# Altium PCB Main_Board.PcbDoc (part 17 of 19)
Units mil, origin at the board's own origin, x right, y up, seen from the top; angles counter-clockwise.
Board outline 5306 x 6610 mil, 12 copper layers ((L1) Top, (L2) Inner 1, (L3) Inner 2, (L4) Inner 3, (L5) Inner 4, (L6) Inner 5, (L7) Inner 6, (L8) Inner 7, (L9) Inner 8, (L10) Inner 9, (L11) Inner 10, (L12) Bottom), stack 94.81 mil thick; 347 components, 571 nets, 2611 pads, 4053 vias.
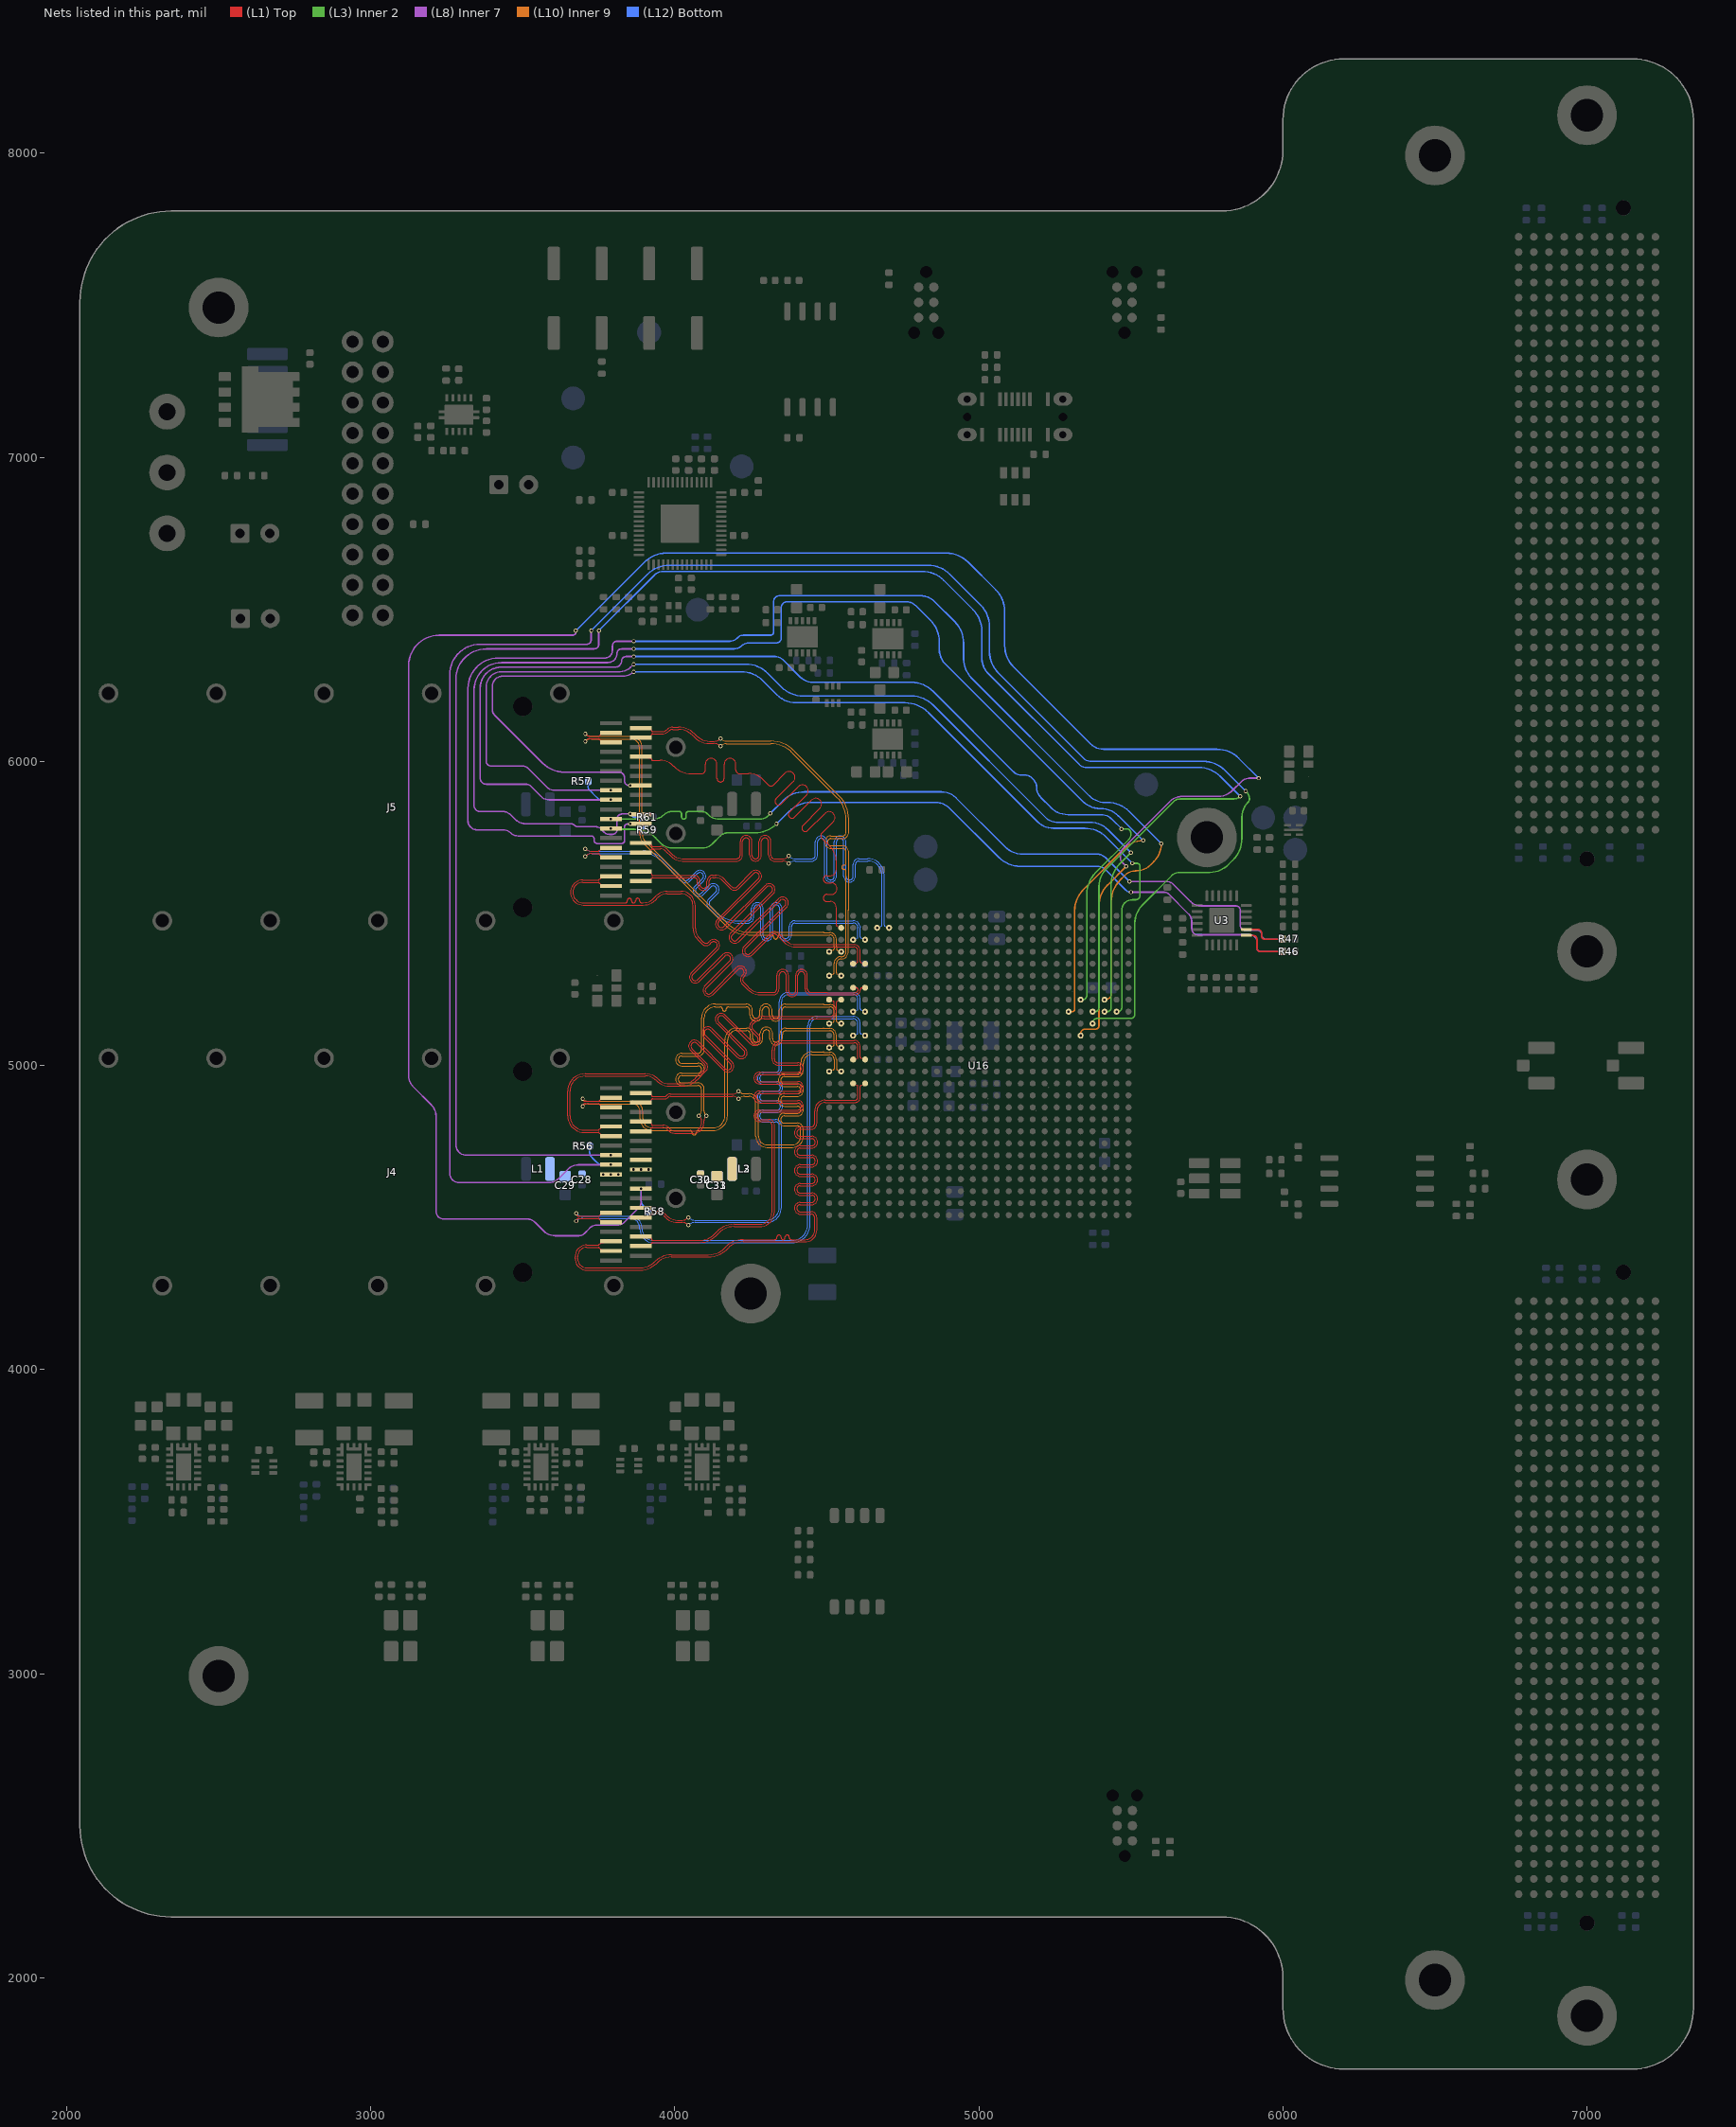
[diagram p27: the nets of this part, all layers, seen from the top]

## Via types
v1: diameter 13.78, hole 7.87, (L1) Top to (L12) Bottom, tented both sides, 4044 vias
v2: diameter 13.78, hole 7.87, (L1) Top to (L12) Bottom, tented bottom, 9 vias

## Nets (pads, with @x,y where several pads share a name; then routed paths per layer and width w, separated by ;. In a path a pad name is that pad's centre, name@x,y a point inside that pad or via, vN(x,y) a via of type N, cw(c..) or ccw(c..) an arc to the next point about the centre after c; other vN are vias at no path point) (continued)
QSFP_A_M\o\d\P\r\s\: J4.27 R58.1 U16.L22 | length 7318.7
  (L8) Inner 7 w5: v1(3675,6430) 3675,6425 cw(c3665,6425) 3665,6415 3225,6415 ccw(c3225,6315) 3125,6315 3125,4966.21 ccw(c3176.21,4966.21) 3139.99,4930.01 3200,4870 cw(c3163.79,4833.79) 3215,4833.79 3215,4520 ccw(c3240,4520) 3240,4495 3515,4495 cw(c3515,4458.79) 3540.61,4484.39 3570,4455 ccw(c3606.21,4491.21) 3606.21,4440 3685,4440 ccw(c3685,4464.14) 3702.07,4447.07 3720,4465 cw(c3744.14,4440.86) 3744.14,4475 3810,4475 ccw(c3810,4511.21) 3835.61,4485.61 3881.51,4531.51 ccw(c3864.44,4548.58) 3888.58,4548.58 v1(3888.58,4594.88) ; v1(5485.13,5654.46) 5472.36,5667.23 cw(c5490.13,5685) 5465,5685 5465,5690.86 cw(c5499.14,5690.86) 5475,5715 5627.32,5867.32 cw(c5670,5824.64) 5670,5885 5786.72,5885 ccw(c5786.72,5953.28) 5835,5905 5864.39,5934.39 cw(c5890,5908.79) 5890,5945 v1(5920,5945)
  (L10) Inner 9 w5: v1(5334.65,5098.43) 5334.65,5104.65 cw(c5350,5104.65) 5350,5120 5385,5120 ccw(c5385,5130) 5395,5130 5395,5523.58 cw(c5495,5523.58) 5424.29,5594.29 5484.46,5654.46 v1(5485.13,5654.46)
  (L12) Bottom w5: v1(3675,6430) 3900.71,6655.71 cw(c3971.42,6585) 3971.42,6685 4893.58,6685 cw(c4893.58,6585) 4964.29,6655.71 5055.71,6564.29 cw(c4985,6493.58) 5085,6493.58 5085,6381.42 ccw(c5185,6381.42) 5114.29,6310.71 5367.32,6057.68 ccw(c5410,6100.36) 5410,6040 5783.58,6040 cw(c5783.58,5940) 5854.29,6010.71 v1(5920,5945) ; v1(3888.58,4594.88) 3888.58,4562.56 ccw(c3927.56,4562.56) 3900,4535 3909.61,4527.28 R58.1@3914.92,4520
QSFP_A_M\o\d\S\e\l\: J4.8 U16.J23 | length 6241.1
  (L3) Inner 2 w5: v1(5374.02,5177.17) 5382.17,5177.17 ccw(c5382.17,5190) 5395,5190 5395,5588.79 cw(c5476.1,5588.79) 5418.74,5646.12 5640.76,5868.14 cw(c5661.39,5847.51) 5661.39,5876.69 5839.93,5876.69 ccw(c5839.93,5905.07) v1(5860,5885)
  (L8) Inner 7 w5: v1(3750,6430) 3750,6385 cw(c3735,6385) 3735,6370 3380,6370 ccw(c3380,6270) 3280,6270 3280,4740 ccw(c3314.88,4740) 3314.88,4705.12 v1(3790.16,4705.12)
  (L12) Bottom w5: v1(3750,6430) 3932.32,6612.32 cw(c3962.93,6581.72) 3962.93,6625 4813.58,6625 cw(c4813.58,6525) 4884.29,6595.71 4980.71,6499.29 cw(c4910,6428.58) 5010,6428.58 5010,6338.28 ccw(c5078.28,6338.28) 5030,6290 5330,5990 ccw(c5354.14,6014.14) 5354.14,5980 5723.58,5980 cw(c5723.58,5880) 5794.29,5950.71 v1(5860,5885)
QSFP_A_R\e\s\e\t\: J4.9 R56.1 U16.K23 | length 6623.3
  (L3) Inner 2 w5: v1(5374.02,5137.8) 5374.02,5139.02 cw(c5390,5139.02) 5390,5155 5500,5155 ccw(c5500,5167.8) 5512.8,5167.8 5512.8,5466.41 cw(c5600.66,5466.41) 5538.54,5528.54 5634.39,5624.39 cw(c5660,5598.79) 5660,5635 5759.64,5635 ccw(c5759.64,5720.36) 5820,5660 5835.71,5675.71 ccw(c5765,5746.42) 5865,5746.42 5865,5816.72 cw(c5933.28,5816.72) 5885,5865 ccw(c5872.93,5877.07) 5890,5877.07 ccw(c5858.79,5877.07) 5880.86,5899.14 v1(5877.5,5902.5)
  (L8) Inner 7 w5: v1(3725,6430) 3725,6400 cw(c3710,6400) 3710,6385 3360,6385 ccw(c3360,6285) 3260,6285 3260,4645 ccw(c3290,4645) 3290,4615 3585,4615 ccw(c3585,4663.28) 3619.14,4629.14 3650,4660 cw(c3682.89,4627.11) 3682.89,4673.62 v1(3790.16,4673.62)
  (L12) Bottom w5: R56.1@3720.08,4735 3720.08,4727.72 3720.08,4716.83 ccw(c3748.95,4716.88) 3728.57,4696.43 3741.43,4683.57 ccw(c3765.4,4707.47) 3765.4,4673.62 ; v1(3725,6430) 3910.71,6615.71 cw(c3981.42,6545) 3981.42,6645 4833.58,6645 cw(c4833.58,6545) 4904.29,6615.71 5005.71,6514.29 cw(c4935,6443.58) 5035,6443.58 5035,6361.42 ccw(c5135,6361.42) 5064.29,6290.71 5344.39,6010.61 ccw(c5370,6036.21) 5370,6000 5738.58,6000 cw(c5738.58,5900) 5809.29,5970.71 v1(5877.5,5902.5) ; 3765.44,4673.62 v1(3790.16,4673.62)
QSFP_A_RX1_N: J4.18 U16.R3 | length 2177.5
  (L1) Top w3.5: J4.18@3790.16,4390.16 3756.47,4395.3 3751.04,4401.04 3750.7,4401.32 ccw(c3748.46,4398.63) 3748.54,4402.13 3748.49,4402.13 3740,4402.13 3710.77,4402.13 ccw(c3710.77,4371.36) 3680,4371.36 3680,4365 ccw(c3710,4365) 3710,4335 3886.72,4335 ccw(c3886.72,4403.28) 3935,4355 cw(c3989.44,4300.56) 3989.44,4377.55 4110.8,4377.55 ccw(c4110.8,4454.2) 4165,4400 4169.6,4404.6 cw(c4225,4349.21) 4225,4427.55 4316.13,4427.55 4329.24,4427.55 ccw(c4329.24,4434.3) 4335.99,4434.3 4335.99,4435.58 cw(c4342.74,4435.58) 4349.49,4435.58 4349.49,4434.1 ccw(c4356.24,4434.1) 4362.99,4434.1 4362.99,4435.58 cw(c4369.74,4435.58) 4376.49,4435.58 4376.49,4434.3 ccw(c4383.24,4434.3) 4383.24,4427.55 4398.49,4427.55 4428.58,4427.55 ccw(c4428.58,4458.97) 4460,4458.97 4460,4494 4460,4499.53 ccw(c4448.25,4499.53) 4448.25,4511.28 4412.8,4511.28 cw(c4412.8,4530.58) 4412.8,4549.88 4450.32,4549.88 ccw(c4450.32,4561.63) 4450.32,4573.38 4412.8,4573.38 cw(c4412.8,4592.68) 4412.8,4611.98 4450.32,4611.98 ccw(c4450.32,4623.73) 4450.32,4635.48 4412.8,4635.48 cw(c4412.8,4654.78) 4412.8,4674.08 4450.32,4674.08 ccw(c4450.32,4685.83) 4450.32,4697.58 4412.8,4697.58 cw(c4412.8,4716.88) 4412.8,4736.18 4450.32,4736.18 ccw(c4450.32,4747.93) 4450.32,4759.68 4412.8,4759.68 cw(c4412.8,4778.98) 4412.8,4798.28 4448.25,4798.28 ccw(c4448.25,4810.03) 4460,4810.03 4460,4840 4460,4850.68 cw(c4495,4850.68) 4495,4885.68 4592.31,4885.68 ccw(c4592.31,4896) 4602.62,4896 4602.62,4931.7 ccw(c4599.12,4931.7) 4600.54,4934.91 ; U16.R3@4586.61,4940.94 4600.52,4934.91
QSFP_A_RX1_P: J4.17 U16.R4 | length 2176.6
  (L1) Top w3.5: J4.17@3790.16,4421.65 3756.47,4416.51 3751.04,4410.77 3750.98,4410.72 cw(c3748.49,4413.18) 3748.49,4409.68 3740,4409.68 3710.77,4409.68 ccw(c3710.77,4371.36) 3672.45,4371.36 3672.45,4365 ccw(c3710,4365) 3710,4327.45 3886.72,4327.45 ccw(c3886.72,4403.28) 3940.34,4349.66 cw(c3989.44,4300.56) 3989.44,4370 4110.8,4370 ccw(c4110.8,4454.2) 4170.34,4394.66 4174.94,4399.27 cw(c4225,4349.21) 4225,4420 4428.58,4420 ccw(c4428.58,4458.97) 4467.55,4458.97 4467.55,4494 4467.55,4499.53 ccw(c4448.25,4499.53) 4448.25,4518.83 4412.8,4518.83 cw(c4412.8,4530.58) 4412.8,4542.33 4450.32,4542.33 ccw(c4450.32,4561.63) 4450.32,4580.93 4412.8,4580.93 cw(c4412.8,4592.68) 4412.8,4604.43 4450.32,4604.43 ccw(c4450.32,4623.73) 4450.32,4643.03 4412.8,4643.03 cw(c4412.8,4654.78) 4412.8,4666.53 4450.32,4666.53 ccw(c4450.32,4685.83) 4450.32,4705.13 4412.8,4705.13 cw(c4412.8,4716.88) 4412.8,4728.63 4450.32,4728.63 ccw(c4450.32,4747.93) 4450.32,4767.23 4412.8,4767.23 cw(c4412.8,4778.98) 4412.8,4790.73 4448.25,4790.73 ccw(c4448.25,4810.03) 4467.55,4810.03 4467.55,4840 4467.55,4850.68 cw(c4495.2,4850.68) 4495.2,4878.33 4592.31,4878.33 ccw(c4592.31,4896) 4609.97,4896 4609.97,4931.7 cw(c4613.47,4931.7) 4612.06,4934.9 ; 4612.08,4934.91 U16.R4@4625.98,4940.94
QSFP_A_RX2_N: J4.21 U16.N3 | length 2211.7
  (L1) Top w3.5: J4.21@3888.58,4405.91 3922.27,4411.05 3924.12,4415.68 3924.45,4416.21 cw(c3927.43,4414.38) 3927.37,4417.88 ; 3927.4,4417.88 3935,4417.88 4082.75,4417.88 ccw(c4082.75,4492.25) 4135.34,4439.66 4144.94,4449.27 cw(c4195,4399.21) 4195,4470 4279.07,4470 ccw(c4279.07,4518.48) 4327.55,4518.48 4327.55,4766.96 4327.55,4803.45 ccw(c4308.25,4803.45) 4308.25,4822.75 4279.36,4822.75 cw(c4279.36,4834.5) 4279.36,4846.25 4404.38,4846.25 ccw(c4404.38,4865.55) 4404.38,4884.85 4279.36,4884.85 cw(c4279.36,4896.6) 4279.36,4908.35 4404.38,4908.35 ccw(c4404.38,4927.65) 4404.38,4946.95 4279.36,4946.95 cw(c4279.36,4958.7) 4279.36,4970.45 4404.38,4970.45 ccw(c4404.38,4989.75) 4404.38,5009.05 4339.3,5009.05 cw(c4339.3,5020.8) 4327.55,5020.8 4327.55,5026.32 4327.55,5051.6 cw(c4350.95,5051.6) 4350.95,5075 4589.62,5075 cw(c4589.62,5062) 4602.62,5062 4602.62,5027.53 cw(c4599.12,5027.53) 4600.25,5024.21 U16.N3@4586.61,5019.69
QSFP_A_RX2_P: J4.22 U16.N4 | length 2223.4
  (L1) Top w3.5: J4.22@3888.58,4437.4 3922.27,4432.26 3924.12,4427.63 3924.42,4427.13 ccw(c3927.42,4428.93) 3927.4,4425.43 3935,4425.43 4082.75,4425.43 ccw(c4082.75,4492.25) 4130,4445 4139.6,4454.6 cw(c4195,4399.21) 4195,4477.55 4279.07,4477.55 ccw(c4279.07,4518.48) 4320,4518.48 4320,4766.96 4320,4803.45 ccw(c4308.25,4803.45) 4308.25,4815.2 4279.36,4815.2 cw(c4279.36,4834.5) 4279.36,4853.8 4404.38,4853.8 ccw(c4404.38,4865.55) 4404.38,4877.3 4279.36,4877.3 cw(c4279.36,4896.6) 4279.36,4915.9 4404.38,4915.9 ccw(c4404.38,4927.65) 4404.38,4939.4 4279.36,4939.4 cw(c4279.36,4958.7) 4279.36,4978 4404.38,4978 ccw(c4404.38,4989.75) 4404.38,5001.5 4339.3,5001.5 cw(c4339.3,5020.8) 4320,5020.8 4320,5026.32 4320,5051.6 cw(c4350.95,5051.6) 4350.95,5082.55 4490,5082.55 4490,5082.35 4589.62,5082.35 cw(c4589.62,5062) 4609.97,5062 4609.97,5027.53 ccw(c4613.47,5027.53) 4612.36,5024.21 U16.N4@4625.98,5019.69
QSFP_A_RX3_N: J4.15 U16.L3 | length 1856
  (L1) Top w3.5: v1(3676.17,4488.29) cw(c3684.49,4488.29) 3684.49,4496.62 3740,4496.62 3748.49,4496.62 3748.54,4496.62 cw(c3748.46,4493.12) 3750.7,4495.81 3751.04,4495.53 3756.47,4489.79 J4.15@3790.16,4484.65
  (L12) Bottom w3.5: v1(3676.17,4488.29) cw(c3697.25,4467.21) 3697.25,4497.03 3852.74,4497.03 cw(c3852.74,4464.81) 3884.88,4462.68 ccw(c3930.12,4462.68) 3930.12,4417.45 4384.96,4417.45 ccw(c4384.96,4477.49) 4445,4477.49 4445,4678.9 4445,4846.58 4445,5130 cw(c4468.73,5130) 4468.73,5153.73 4586.82,5153.73 cw(c4586.82,5138) 4602.55,5138 4602.55,5107.34 cw(c4599.05,5107.34) 4600.38,5104.11 v1(4586.61,5098.43)
QSFP_A_RX3_P: J4.14 U16.L4 | length 1868.3
  (L1) Top w3.5: v1(3676.17,4513.29) ccw(c3685.29,4513.29) 3685.29,4504.17 3740,4504.17 3748.49,4504.17 ccw(c3748.49,4507.67) 3750.98,4505.2 3751.04,4505.26 3756.47,4511 J4.14@3790.16,4516.14
  (L12) Bottom w3.5: v1(3676.17,4513.29) ccw(c3697.21,4534.33) 3697.21,4504.58 3852.74,4504.58 cw(c3852.74,4464.83) 3892.43,4462.68 ccw(c3930.12,4462.68) 3930.12,4425 4384.96,4425 ccw(c4384.96,4477.49) 4437.45,4477.49 4437.45,4678.9 4437.45,4846.58 4437.45,5130 cw(c4468.73,5130) 4468.73,5161.28 4490,5161.28 4490,5161.23 4586.82,5161.23 cw(c4586.82,5138) 4610.05,5138 4610.05,5107.34 ccw(c4613.55,5107.34) 4612.21,5104.11 v1(4625.98,5098.43)
QSFP_A_RX4_N: J4.24 U16.J3 | length 1877.2
  (L1) Top w3.5: J4.24@3888.58,4500.39 3922.27,4505.53 3924.12,4510.17 ; 3924.13,4510.19 cw(c3927.37,4508.87) 3927.37,4512.37 3940.14,4512.37 cw(c3940.14,4470.14) 3970,4500 ccw(c4009.29,4539.29) 4009.29,4483.72 4023.94,4483.73 cw(c4023.94,4453.94) v1(4045,4475)
  (L12) Bottom w3.5: v1(4045,4475) cw(c4066.01,4453.99) 4066.01,4483.7 4301.25,4483.7 ccw(c4301.25,4533.45) 4351,4533.45 4351,4797.42 4351,4802.94 ccw(c4331.7,4802.94) 4331.7,4822.24 4290.68,4822.24 cw(c4290.68,4833.99) 4290.68,4845.74 4336,4845.74 ccw(c4336,4865.04) 4336,4884.34 4290.68,4884.34 cw(c4290.68,4896.09) 4290.68,4907.84 4336,4907.84 ccw(c4336,4927.14) 4336,4946.44 4290.68,4946.44 cw(c4290.68,4958.19) 4290.68,4969.94 4331.7,4969.94 ccw(c4331.7,4989.24) 4351,4989.24 4351,5029.05 4351,5210 cw(c4373.47,5210) 4373.47,5232.47 4588.08,5232.47 cw(c4588.08,5218) 4602.55,5218 4602.55,5186.31 cw(c4599.05,5186.31) 4600.45,5183.1 v1(4586.61,5177.17)
QSFP_A_RX4_P: J4.25 U16.J4 | length 1889
  (L1) Top w3.5: J4.25@3888.58,4531.89 3922.27,4526.75 3924.12,4522.12 ; 3924.13,4522.1 ccw(c3927.37,4523.42) 3927.37,4519.92 3940.14,4519.92 cw(c3940.14,4470.14) 3975.34,4505.34 ccw(c4009.29,4539.29) 4009.29,4491.28 4023.94,4491.27 ccw(c4023.94,4521.06) v1(4045,4500)
  (L12) Bottom w3.5: v1(4045,4500) ccw(c4066.12,4521.12) 4066.12,4491.25 4301.25,4491.25 ccw(c4301.25,4533.45) 4343.45,4533.45 4343.45,4797.42 4343.45,4802.94 ccw(c4331.7,4802.94) 4331.7,4814.69 4290.68,4814.69 cw(c4290.68,4833.99) 4290.68,4853.29 4336,4853.29 ccw(c4336,4865.04) 4336,4876.79 4290.68,4876.79 cw(c4290.68,4896.09) 4290.68,4915.39 4336,4915.39 ccw(c4336,4927.14) 4336,4938.89 4290.68,4938.89 cw(c4290.68,4958.19) 4290.68,4977.49 4331.7,4977.49 ccw(c4331.7,4989.24) 4343.45,4989.24 4343.45,5029.05 4343.45,5210 cw(c4373.47,5210) 4373.47,5240.02 4490,5240.02 4490,5239.97 4588.08,5239.97 cw(c4588.08,5218) 4610.05,5218 4610.05,5186.31 ccw(c4613.55,5186.31) 4612.16,5183.1 v1(4625.98,5177.17)
QSFP_A_TX1_N: J4.37 U16.P2 | length 1503
  (L1) Top w3.5: J4.37@3888.58,4909.84 3922.27,4904.7 3924.12,4900.07 ccw(c3927.37,4901.37) 3927.37,4897.87 3966.86,4897.87 ccw(c3966.86,4905.14) 3972,4900 3973.28,4901.28 cw(c3986,4888.56) 3986,4906.55 4183.13,4906.55 4183.21,4906.47 4188.93,4906.47 ccw(c4188.93,4936.26) v1(4209.99,4915.19)
  (L10) Inner 9 w3.5: v1(4209.99,4915.19) ccw(c4229.55,4934.75) 4229.55,4907.09 4244.71,4907.09 cw(c4244.71,4876.8) 4275,4876.8 4275,4768 ccw(c4303.2,4768) 4303.2,4739.8 4387.64,4739.8 ; 4387.69,4739.8 ccw(c4387.69,4766.31) 4414.2,4766.31 4414.2,4783.82 4414.2,4789.98 ccw(c4402.45,4789.98) 4402.45,4801.73 4360.4,4801.73 cw(c4360.4,4822.28) 4360.4,4842.83 4402.96,4842.83 ccw(c4402.96,4854.58) 4402.96,4866.33 4360.4,4866.33 cw(c4360.4,4886.88) 4360.4,4907.43 4402.96,4907.43 ccw(c4402.96,4919.18) 4402.96,4930.93 4360.4,4930.93 cw(c4360.4,4951.48) 4360.4,4972.03 4402.45,4972.03 ccw(c4402.45,4983.78) 4414.2,4983.78 4414.2,5008 cw(c4450.88,5008) 4450.88,5044.68 4488.7,5044.68 cw(c4488.7,5043.38) 4490,5043.38 4506.79,5043.38 4507.11,5043.38 cw(c4507.12,5039.88) 4507.26,5043.38 ; 4507.28,5043.38 ccw(c4507.87,5059.06) 4508.76,5043.39 cw(c4509.32,5032.41) 4510.46,5043.35 cw(c4510.11,5039.61) 4510.55,5043.34 cw(c4507.81,5020) 4531.31,5020.07 4531.31,5020 4531.31,4995 4531.31,4989.36 ccw(c4534.81,4989.33) 4533.44,4986.11 v1(4547.24,4980.31)
QSFP_A_TX1_P: J4.36 U16.P1 | length 1490.2
  (L1) Top w3.5: J4.36@3888.58,4878.35 3922.27,4883.49 3924.12,4888.12 cw(c3927.37,4886.82) 3927.37,4890.32 3966.86,4890.32 ccw(c3966.86,4905.14) 3977.34,4894.66 3978.62,4895.94 cw(c3986,4888.56) 3986,4899 4180,4899 4180.08,4898.92 4188.93,4898.92 cw(c4188.93,4869.13) v1(4209.99,4890.19)
  (L10) Inner 9 w3.5: v1(4209.99,4890.19) cw(c4229.55,4870.64) 4229.55,4898.29 4244.71,4898.29 cw(c4244.71,4876.8) 4266.2,4876.8 4266.2,4768 ccw(c4303.2,4768) 4303.2,4731 4387.19,4731 ccw(c4387.11,4766.89) 4423,4766.89 4423,4783.82 4423,4789.98 ccw(c4402.45,4789.98) 4402.45,4810.53 4360.4,4810.53 cw(c4360.4,4822.28) 4360.4,4834.03 4402.96,4834.03 ccw(c4402.96,4854.58) 4402.96,4875.13 4360.4,4875.13 cw(c4360.4,4886.88) 4360.4,4898.63 4402.96,4898.63 ccw(c4402.96,4919.18) 4402.96,4939.73 4360.4,4939.73 cw(c4360.4,4951.48) 4360.4,4963.23 4402.45,4963.23 ccw(c4402.45,4983.78) 4423,4983.78 4423,5008 cw(c4450.88,5008) 4450.88,5035.88 4507,5035.88 ccw(c4507.87,5059.06) 4509.15,5035.9 cw(c4509.32,5032.41) 4509.72,5035.88 ; v1(4507.87,4980.31) 4521.66,4986.1 4521.96,4986.26 ccw(c4520.31,4989.34) 4523.81,4989.31 ; 4509.73,5035.88 cw(c4507.81,5020) 4523.81,5020.05 ; 4523.81,4989.38 4523.81,4995 ; 4523.81,4995.04 4523.81,5020
QSFP_A_TX2_N: J4.2 U16.M2 | length 1493.5
  (L1) Top w3.5: v1(3697,4891) ccw(c3705.88,4891) 3705.88,4882.12 3740,4882.12 3748.49,4882.12 ccw(c3748.47,4885.62) 3750.76,4882.97 3751.04,4883.21 3756.47,4888.95 J4.2@3790.16,4894.09
  (L10) Inner 9 w3.5: v1(3697,4891) ccw(c3717.79,4911.79) 3717.79,4882.39 3861.41,4882.39 cw(c3861.41,4848.8) 3895,4848.8 3895,4825 ccw(c3925,4825) 3925,4795 4125,4795 ccw(c4125,4834.86) 4164.86,4834.86 4164.86,5083.94 cw(c4204.12,5083.94) 4204.12,5123.2 4213,5123.2 4236.51,5123.2 cw(c4236.51,5102.65) 4257.06,5102.65 4257.06,5088.3 ccw(c4268.81,5088.3) 4280.56,5088.3 4280.56,5105.58 cw(c4301.11,5105.58) 4321.66,5105.58 4321.66,5088.3 ccw(c4333.41,5088.3) 4345.16,5088.3 4345.16,5102.65 cw(c4365.71,5102.65) 4365.71,5123.2 4371.86,5123.2 4488.7,5123.2 cw(c4488.7,5121.9) 4490,5121.9 4509.41,5121.9 cw(c4509.41,5100) 4531.31,5100 4531.31,5068.29 ccw(c4534.81,5068.29) 4533.41,5065.08 v1(4547.24,5059.06)
QSFP_A_TX2_P: J4.3 U16.M1 | length 1497.5
  (L1) Top w3.5: v1(3697,4866) cw(c3705.57,4866) 3705.57,4874.57 3740,4874.57 3748.49,4874.57 cw(c3748.47,4871.07) 3750.75,4873.73 3751.04,4873.48 3756.47,4867.74 J4.3@3790.16,4862.6
  (L10) Inner 9 w3.5: v1(3697,4866) cw(c3715.32,4847.68) 3715.32,4873.59 3861.41,4873.59 cw(c3861.41,4848.8) 3886.2,4848.8 3886.2,4825 ccw(c3925,4825) 3925,4786.2 4035.09,4786.2 4050.34,4786.2 cw(c4050.34,4779.45) 4057.09,4779.45 4057.09,4778.63 ccw(c4063.84,4778.63) 4070.59,4778.63 4070.59,4779.45 cw(c4077.34,4779.45) 4077.34,4786.2 4086.81,4786.2 4125,4786.2 ccw(c4125,4834.86) 4173.66,4834.86 4173.66,5083.94 cw(c4204.12,5083.94) 4204.12,5114.4 4213,5114.4 4236.51,5114.4 cw(c4236.51,5102.65) 4248.26,5102.65 4248.26,5088.3 ccw(c4268.81,5088.3) 4289.36,5088.3 4289.36,5105.58 cw(c4301.11,5105.58) 4312.86,5105.58 4312.86,5088.3 ccw(c4333.41,5088.3) 4353.96,5088.3 4353.96,5102.65 cw(c4365.71,5102.65) 4365.71,5114.4 4371.86,5114.4 4509.41,5114.4 cw(c4509.41,5100) 4523.81,5100 4523.81,5068.29 cw(c4520.31,5068.29) 4521.72,5065.09 v1(4507.87,5059.06)
QSFP_A_TX3_N: J4.34 U16.K2 | length 1529
  (L1) Top w3.5: J4.34@3888.58,4815.35 3922.27,4810.21 3924.12,4805.58 ccw(c3927.37,4806.88) 3927.37,4803.38 3960.92,4803.38 cw(c3960.92,4775.92) 3980.34,4795.34 3984.09,4791.59 ccw(c4000,4807.51) 4000,4785 4062.22,4785 ccw(c4062.22,4811) 4088.22,4811 4088.22,4819 ccw(c4070.66,4819) 4083.08,4831.42 v1(4079.5,4835)
  (L10) Inner 9 w3.5: v1(4079.5,4835) 4082.72,4838.22 ccw(c4070.66,4850.29) 4087.72,4850.29 4087.72,4916.24 4087.72,4922.39 ccw(c4075.97,4922.39) 4075.97,4934.14 4022.91,4934.14 cw(c4022.91,4954.69) 4022.91,4975.24 4076.69,4975.24 ccw(c4076.69,4986.99) 4076.69,4998.74 4022.91,4998.74 cw(c4022.91,5019.29) 4022.91,5039.84 4075.97,5039.84 ccw(c4075.97,5051.59) 4087.72,5051.59 4087.72,5078.36 4087.72,5156.66 cw(c4132.86,5156.66) 4132.86,5201.8 4196.63,5201.8 4235.08,5201.8 cw(c4235.08,5181.25) 4255.63,5181.25 4255.63,5166.78 ccw(c4267.38,5166.78) 4279.13,5166.78 4279.13,5181.25 cw(c4299.68,5181.25) 4320.23,5181.25 4320.23,5166.78 ccw(c4331.98,5166.78) 4343.73,5166.78 4343.73,5181.25 cw(c4364.28,5181.25) 4364.28,5201.8 4406.41,5201.8 4488.7,5201.8 cw(c4488.7,5200.5) 4490,5200.5 4510.81,5200.5 cw(c4510.81,5180) 4531.31,5180 4531.31,5146.39 ccw(c4534.81,5146.39) 4533.54,5143.13 v1(4547.24,5137.8)
QSFP_A_TX3_P: J4.33 U16.K1 | length 1531.1
  (L1) Top w3.5: J4.33@3888.58,4783.86 3922.27,4789 3924.12,4793.63 cw(c3927.37,4792.33) 3927.37,4795.83 3960.92,4795.83 cw(c3960.92,4775.92) 3974.99,4790.01 3978.75,4786.25 ccw(c4000,4807.51) 4000,4777.45 4062.22,4777.45 ccw(c4062.22,4811) 4095.78,4811 4095.78,4819 cw(c4113.34,4819) 4100.92,4831.42 v1(4104.5,4835)
  (L10) Inner 9 w3.5: v1(4104.5,4835) 4101.28,4838.22 cw(c4112.77,4849.71) 4096.52,4849.71 4096.52,4916.24 4096.52,4922.39 ccw(c4075.97,4922.39) 4075.97,4942.94 4022.91,4942.94 cw(c4022.91,4954.69) 4022.91,4966.44 4076.69,4966.44 ccw(c4076.69,4986.99) 4076.69,5007.54 4022.91,5007.54 cw(c4022.91,5019.29) 4022.91,5031.04 4075.97,5031.04 ccw(c4075.97,5051.59) 4096.52,5051.59 4096.52,5078.36 4096.52,5156.66 cw(c4132.86,5156.66) 4129.28,5192.82 cw(c4132.86,5156.66) 4132.86,5193 4134.28,5193 4149.53,5193 cw(c4149.53,5186.25) 4156.28,5186.25 4156.28,5185.58 ccw(c4163.03,5185.58) 4169.78,5185.58 4169.78,5186.25 cw(c4176.53,5186.25) 4176.53,5193 4189.22,5193 4196.63,5193 4235.08,5193 cw(c4235.08,5181.25) 4246.83,5181.25 4246.83,5166.78 ccw(c4267.38,5166.78) 4287.93,5166.78 4287.93,5181.25 cw(c4299.68,5181.25) 4311.43,5181.25 4311.43,5166.78 ccw(c4331.98,5166.78) 4352.53,5166.78 4352.53,5181.25 cw(c4364.28,5181.25) 4364.28,5193 4406.41,5193 4510.81,5193 cw(c4510.81,5180) 4523.81,5180 4523.81,5146.39 cw(c4520.31,5146.39) 4521.6,5143.14 v1(4507.87,5137.8)
QSFP_A_TX4_N: J4.5 U16.H2 | length 2150.8
  (L1) Top w3.5: J4.5@3790.16,4799.61 3756.47,4794.47 3751.04,4788.73 3750.76,4788.48 cw(c3748.47,4791.13) 3748.49,4787.63 3740,4787.63 3702.37,4787.63 cw(c3702.37,4835) 3655,4835 3655,4915 cw(c3705,4915) 3705,4965 3903.79,4965 cw(c3903.79,4913.79) 3940,4950 ccw(c3982.37,4992.37) 3982.37,4932.45 4025,4932.45 ccw(c4025,5000.36) 4073.02,4952.34 4074.11,4953.43 4102.74,4982.06 ccw(c4089.1,4995.71) 4102.74,5009.36 4056.46,5055.64 cw(c4064.79,5063.93) 4073.12,5072.22 ; 4073.13,5072.21 4161.25,4984.08 ; 4117.04,5116.12 4205.16,5027.99 ccw(c4218.84,5041.62) 4232.48,5027.97 ccw(c4218.84,5041.62) 4233.59,5054.06 4233.59,5054.16 4144.28,5143.46 cw(c4152.62,5151.75) 4144.31,5160.06 cw(c4152.62,5151.75) 4160.94,5160.04 4249.07,5071.91 ; 4117.03,5116.13 ccw(c4108.7,5107.84) 4100.37,5099.55 4189.68,5010.25 4189.68,5010.15 cw(c4174.93,4997.7) 4189.68,4985.26 4189.68,4985.16 4187.47,4982.95 4187.37,4982.95 cw(c4174.93,4997.7) 4161.26,4984.07 ; 4249.08,5071.9 ccw(c4262.75,5085.53) 4276.4,5071.88 ccw(c4262.75,5085.53) 4277.5,5097.97 4277.5,5098.07 4256.43,5119.14 cw(c4264.74,5127.45) 4256.43,5135.75 4260.34,5139.66 4260.86,5140.19 cw(c4293.34,5107.76) 4293.34,5153.65 4509.88,5153.65 ccw(c4509.88,5175) 4531.23,5175 4531.23,5207.65 cw(c4534.73,5207.65) 4533.39,5210.88 U16.H2@4547.24,5216.54